# Altium PCB Terra.PcbDoc (part 6 of 7) (continued)
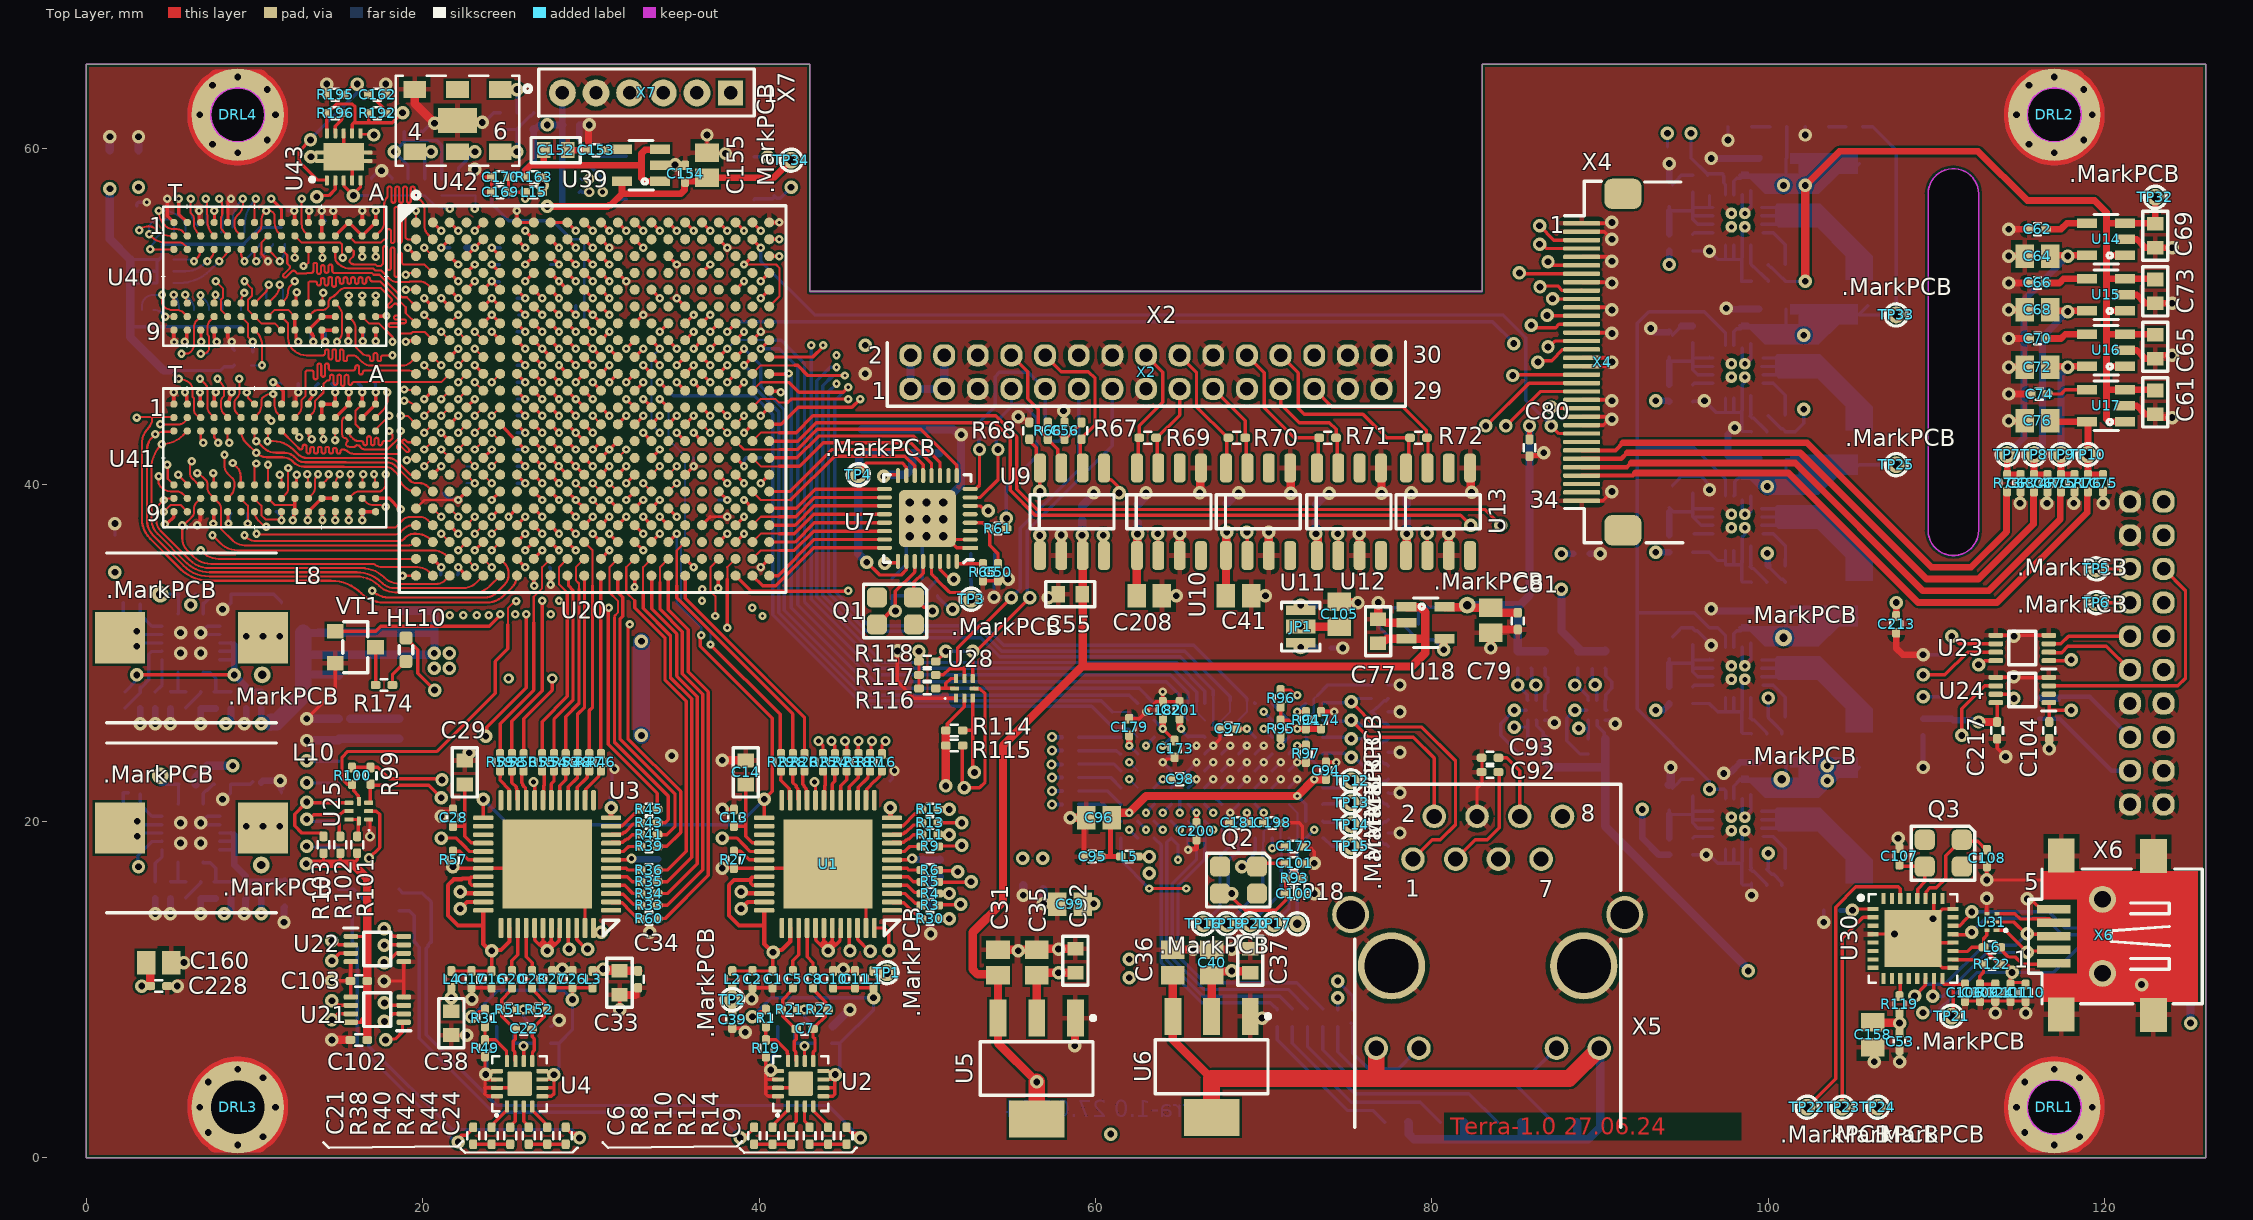
[diagram p0: Top Layer view]
## Nets (pads, with @x,y where several pads share a name; then routed paths per layer and width w, separated by ;. In a path a pad name is that pad's centre, name@x,y a point inside that pad or via, vN(x,y) a via of type N, cw(c..) or ccw(c..) an arc to the next point about the centre after c; other vN are vias at no path point) (continued)
  Bottom Layer w0.4: R147.1@94.1,28 C137.1@94.1,29.4
NetC139_1: C139.1 U36.9 | length 1.2
  Bottom Layer w0.2: C139.1@95.5,28 95.589,28.089 U36.9@96.7,28.089
NetC142_1: C142.1 C143.1 R151.1 R152.2 U37.10 U37.11 U37.12 | length 9.1
  Bottom Layer w0.2: C142.1@94.1,56.55 94.1,56.3 95.5,56.3 ; C143.1@95.5,57.4 95.5,56.5 ; R152.2@96.5,57.2 96.5,56.539 U37.12@96.55,56.489 ; U37.10@96.7,55.489 95.811,55.489 95.5,55.8 95.5,55.989 ; U37.11@96.7,55.989 95.5,55.989 ; U37.12@96.7,56.489 U37.12@96.55,56.489 ; 95.5,55.989 95.5,56.3 ; 95.5,56.3 95.5,56.5 ; 95.5,56.5 95.511,56.489 U37.12@96.55,56.489
  Bottom Layer w0.4: R151.1@94.1,54.9 C142.1@94.1,56.3
NetC144_1: C144.1 U37.9 | length 1.2
  Bottom Layer w0.2: C144.1@95.5,54.9 95.589,54.989 U37.9@96.7,54.989
NetC147_1: C147.1 C148.1 R158.1 U38.10 U38.11 U38.12 | length 8.5
  Bottom Layer w0.2: C147.1@94.1,47.6 94.1,47.35 95.5,47.35 ; C148.1@95.5,48.45 95.5,47.55 ; U38.12@96.5,47.589 U38.12@96.55,47.539 ; U38.10@96.7,46.539 95.811,46.539 95.5,46.85 95.5,47.039 ; U38.11@96.7,47.039 95.5,47.039 ; U38.12@96.7,47.539 U38.12@96.55,47.539 ; 95.5,47.039 95.5,47.35 ; 95.5,47.35 95.5,47.55 ; 95.5,47.55 95.511,47.539 U38.12@96.55,47.539
  Bottom Layer w0.4: R158.1@94.1,45.95 C147.1@94.1,47.35
NetC149_1: C149.1 U38.9 | length 1.2
  Bottom Layer w0.2: C149.1@95.5,45.95 95.589,46.039 U38.9@96.7,46.039
NetC152_1: C152.1 R163.1 U39.1 U39.3 | length 12.2
  Top Layer w0.4: R163.1@26.1,58.3 26.1,58.7 26.4,59 27.2,59 ; C152.1@27.189,59.9 27.2,59.889 27.2,59 ; U39.1@34.111,58.047 34.109,58.049 33.185,58.049 33,58.234 33,59 ; U39.3@34.111,59.952 34.076,59.918 33.218,59.918 33,59.7 33,59 ; 27.2,59 33,59
NetC153_1: C153.1 U39.4 | length 1.1
  Top Layer w0.2: C153.1@30.8,60 30.824,59.976 31.823,59.976 U39.4@31.847,59.952
NetC156_1: C156.1 U42.5 | length 3.1
  Top Layer w0.2: U42.5@22.065,59.825 22.09,59.8 v2(23.1,59.8)
  Bottom Layer w0.2: C156.1@22.125,58.2 22.125,58.825 v2(23.1,59.8) v2@23.125,59.825
NetC157_1: C157.1 U42.4 | length 2.7
  Top Layer w0.2: U42.4@19.55,59.8 v2(20.495,59.8)
  Bottom Layer w0.2: C157.1@20.125,58.2 20.125,59.425 20.495,59.795 v2(20.495,59.8)
NetC162_1: C162.1 R192.2 R195.2 U43.1 | length 11.7
  Top Layer w0.2: v2(13.326,60.503) 12.65,59.827 12.65,59.21 13.735,58.125 U43.1@14.3,58.125 ; R195.2@15.3,63.225 15.361,63.225 15.961,63.825 v2(16.1,63.825) 16.139,63.825 16.739,63.225 16.85,63.225 17.622,62.453 17.622,62.263 17.761,62.125 R192.2@17.8,62.125
  Bottom Layer w0.2: v2@13.325,60.55 16.1,63.325 v2(16.1,63.825) ; v2(13.326,60.503) v2@13.326,60.549
NetC168_2: C168.2 L14.2 R189.2 U42.6 | length 4.8
  Top Layer w0.2: U42.6@24.605,59.825 24.63,59.8 v2(25.6,59.8)
  Bottom Layer w0.2: C168.2@24.625,61.125 R189.2@25.625,61.125 ; v2(25.6,59.8) 25.625,59.825 R189.2@25.625,61.125 ; L14.2@26.6,62.125 26.6,62.086 26.462,61.947 26.397,61.947 25.625,61.175 R189.2@25.625,61.125
NetHL1_2: HL1.2 R79.2 | length 16.9
  Bottom Layer w0.2: R79.2@73.5,7.8 73.5,6.421 75.621,4.3 85,4.3 HL1.2@87.2,2.1
NetHL2_2: HL2.2 R82.2 | length 11.7
  Bottom Layer w0.2: R82.2@71.7,7.8 71.7,6.807 75.207,3.3 79.3,3.3 HL2.2@80.5,2.1
NetHL3_2: HL3.2 R83.2 | length 9.2
  Bottom Layer w0.2: R83.2@70.8,7.8 70.8,7 75,2.8 76.5,2.8 HL3.2@77.2,2.1
NetHL4_2: HL4.2 R84.2 | length 14.4
  Bottom Layer w0.2: R84.2@72.6,7.8 72.6,6.614 75.414,3.8 82.2,3.8 HL4.2@83.9,2.1
NetHL5_2: HL5.2 R120.2 | length 1
  Bottom Layer w0.2: R120.2@123.191,12.509 HL5.2@124.191,12.509
NetHL6_2: HL6.2 R121.2 | length 0.9
  Bottom Layer w0.2: R121.2@123.291,15.209 HL6.2@124.191,15.209
NetHL7_2: HL7.2 R123.1 | length 1
  Bottom Layer w0.2: R123.1@123.191,9.609 HL7.2@124.191,9.609
NetHL8_1: HL8.1 R154.1 | length 1.1
  Bottom Layer w0.2: HL8.1@99,61.3 R154.1@100.1,61.3
NetHL9_1: HL9.1 R160.1 | length 1
  Bottom Layer w0.2: HL9.1@103.6,61.3 R160.1@104.6,61.3
NetHL10_2: HL10.2 R174.2 | length 1.7
  Top Layer w0.2: R174.2@18.2,28.1 18.2,28.7 HL10.2@19,29.5
NetHL11_2: HL11.2 R202.2 | length 1.5
  Bottom Layer w0.2: R202.2@24.1,58.2 24.1,58.139 25.1,57.139 HL11.2@25.1,57.1
NetL6_2: L6.2 X6.1 | length 3.7
  Top Layer w0.2: L6.2@113.691,12.509 114.271,11.929 114.671,11.929 115.111,11.489 116.896,11.489 X6.1@116.966,11.559
NetL7_2: L7.2 U32.1 U32.2 U32.3 | length 10.8
  Bottom Layer w0.2: U32.3@99.6,37.589 103.711,37.589 ; U32.2@99.6,38.089 103.211,38.089 ; U32.1@99.6,38.589 102.711,38.589
NetL9_2: L9.2 U34.1 U34.2 U34.3 | length 12.2
  Bottom Layer w0.2: U34.3@99.6,19.589 103.711,19.589 103.211,20.089 ; U34.2@99.6,20.089 U34.2@99.7,20.089 103.211,20.089 ; U34.1@99.6,20.589 102.711,20.589 103.211,20.089
NetL11_2: L11.2 U36.1 U36.2 U36.3 | length 12.2
  Bottom Layer w0.2: U36.3@99.6,28.589 U36.3@99.7,28.589 103.711,28.589 103.211,29.089 ; U36.2@99.6,29.089 U36.2@99.7,29.089 103.211,29.089 ; U36.1@99.6,29.589 102.711,29.589 103.211,29.089
NetL12_2: L12.2 U37.1 U37.2 U37.3 | length 12.2
  Bottom Layer w0.2: U37.3@99.6,55.489 U37.3@99.7,55.489 103.711,55.489 103.211,55.989 ; U37.2@99.6,55.989 U37.2@99.7,55.989 103.211,55.989 ; U37.1@99.6,56.489 U37.1@99.7,56.489 102.711,56.489 103.211,55.989
NetL13_2: L13.2 U38.1 U38.2 U38.3 | length 12
  Bottom Layer w0.2: U38.2@99.6,47.039 103.211,47.039 ; U38.3@99.7,46.539 103.711,46.539 103.211,47.039 ; U38.1@99.7,47.539 102.711,47.539 103.211,47.039
NetR1_2: R1.2 R19.1 U2.12 | length 3
  Top Layer w0.2: R1.2@40.4,7.8 R19.1@40.4,7 41,7 41.68,6.32 41.68,6.208 41.696,6.191 41.696,5.767 U2.12@41.719,5.744
NetR3_1: R3.1 U1.3 | length 2
  Top Layer w0.2: U1.3@47.9,15.7 48.7,15.7 49.272,15.128 49.522,15.128 R3.1@49.65,15
NetR4_1: R4.1 U1.4 | length 2
  Top Layer w0.2: U1.4@47.9,16.2 48.8,16.2 49.233,15.767 49.583,15.767 R4.1@49.65,15.7
NetR5_1: R5.1 U1.5 | length 1.9
  Top Layer w0.2: U1.5@47.9,16.7 48.866,16.7 49.166,16.4 R5.1@49.65,16.4
NetR6_1: R6.1 U1.6 | length 1.8
  Top Layer w0.2: U1.6@47.9,17.2 48.803,17.2 48.903,17.1 R6.1@49.65,17.1
NetR8_2: R8.2 U2.1 | length 1.6
  Top Layer w0.2: R8.2@40.8,1.8 40.928,1.928 40.928,2.049 41.7,2.821 U2.1@41.7,3.05
NetR9_1: R9.1 U1.8 | length 1.7
  Top Layer w0.2: U1.8@47.9,18.2 48.623,18.2 48.883,18.46 48.915,18.46 48.955,18.5 R9.1@49.425,18.5 ; R9.1@49.589,18.5 R9.1@49.65,18.5
NetR10_2: R10.2 U2.2 | length 1.4
  Top Layer w0.2: R10.2@41.9,1.8 41.9,1.861 42.2,2.161 U2.2@42.2,3.05
NetR11_1: R11.1 U1.9 | length 2
  Top Layer w0.2: U1.9@47.9,18.7 47.94,18.74 48.597,18.74 48.717,18.86 48.749,18.86 48.829,18.94 48.895,18.94 49.155,19.2 R11.1@49.65,19.2
NetR12_2: R12.2 U2.3 | length 1.4
  Top Layer w0.2: U2.3@42.7,3.05 42.7,2.161 43,1.861 R12.2@43,1.8
NetR13_1: R13.1 U1.10 | length 2
  Top Layer w0.2: U1.10@47.9,19.2 47.94,19.24 48.532,19.24 48.552,19.26 48.583,19.26 48.663,19.34 48.729,19.34 49.161,19.772 49.522,19.772 R13.1@49.65,19.9
NetR14_2: R14.2 U2.4 | length 1.6
  Top Layer w0.2: U2.4@43.2,3.05 43.2,2.821 43.972,2.049 43.972,1.928 R14.2@44.1,1.8
NetR15_1: R15.1 U1.11 | length 2.2
  Top Layer w0.2: U1.11@47.9,19.7 47.94,19.74 48.563,19.74 49.263,20.44 49.329,20.44 49.589,20.7 R15.1@49.65,20.7
NetR16_1: R16.1 U1.14 | length 2.1
  Top Layer w0.2: U1.14@46.35,21.25 46.39,21.29 46.39,21.913 46.885,22.408 46.892,22.408 47.172,22.688 47.172,22.872 R16.1@47.3,23
NetR17_1: R17.1 U1.15 | length 2.1
  Top Layer w0.2: U1.15@45.85,21.25 45.89,21.29 45.89,22.019 46.472,22.601 46.472,22.872 R17.1@46.6,23
NetR18_1: R18.1 U1.16 | length 1.9
  Top Layer w0.2: U1.16@45.35,21.25 45.35,22.044 45.9,22.594 R18.1@45.9,22.939
NetR23_1: R23.1 U1.17 | length 1.9
  Top Layer w0.2: U1.17@44.85,21.25 44.85,22.11 45.2,22.46 R23.1@45.2,23 R23.1@45.225,22.975
NetR24_1: R24.1 U1.18 | length 1.8
  Top Layer w0.2: U1.18@44.35,21.25 44.35,22.216 44.5,22.366 R24.1@44.5,23
NetR25_1: R25.1 U1.19 | length 1.8
  Top Layer w0.2: R25.1@43.8,23 43.92,22.88 43.92,22.143 43.89,22.113 43.89,21.29 U1.19@43.85,21.25
NetR26_1: R26.1 U1.21 | length 1.9
  Top Layer w0.2: R26.1@42.7,23 42.59,22.89 42.59,22.276 42.6,22.266 42.6,22.189 42.69,22.099 42.69,22.037 42.81,21.917 42.81,21.29 U1.21@42.85,21.25
NetR27_1: R27.1 U1.30 | length 2
  Top Layer w0.2: R27.1@38.5,18.3 38.592,18.208 38.892,18.208 39.4,17.7 U1.30@40.3,17.7
NetR28_1: R28.1 U1.22 | length 1.9
  Top Layer w0.2: R28.1@42,23 42,22.3 42.2,22.1 42.2,22.023 42.29,21.933 42.29,21.31 U1.22@42.35,21.25
NetR29_1: R29.1 U1.23 | length 2
  Top Layer w0.2: R29.1@41.3,23 41.3,22.6 41.294,22.594 41.294,22.429 41.8,21.923 41.8,21.3 U1.23@41.85,21.25
NetR30_1: R30.1 U1.2 | length 2.2
  Top Layer w0.2: U1.2@47.9,15.2 47.94,15.16 48.606,15.16 49.306,14.46 49.34,14.46 49.6,14.2 R30.1@49.65,14.2
NetR31_2: R31.2 R49.1 U4.12 | length 2.9
  Top Layer w0.2: R31.2@23.7,7.8 R49.1@23.7,7 24.3,7 24.98,6.32 24.98,5.762 U4.12@25,5.742
NetR33_1: R33.1 U3.3 | length 2
  Top Layer w0.2: U3.3@31.2,15.7 31.24,15.66 31.929,15.66 32.527,15.061 32.889,15.061 R33.1@32.95,15
NetR34_1: R34.1 U3.4 | length 2
  Top Layer w0.2: U3.4@31.2,16.2 32,16.2 32.5,15.7 R34.1@32.95,15.7
NetR35_1: R35.1 U3.5 | length 1.9
  Top Layer w0.2: U3.5@31.2,16.7 32.166,16.7 32.466,16.4 R35.1@32.95,16.4
NetR36_1: R36.1 U3.6 | length 1.8
  Top Layer w0.2: U3.6@31.2,17.2 32.103,17.2 32.203,17.1 R36.1@32.95,17.1
NetR38_2: R38.2 U4.1 | length 1.6
  Top Layer w0.2: R38.2@24.1,1.8 24.228,1.928 24.228,2.049 25,2.821 U4.1@25,3.05
NetR39_1: R39.1 U3.8 | length 1.8
  Top Layer w0.2: U3.8@31.2,18.2 31.923,18.2 32.183,18.46 32.215,18.46 32.255,18.5 R39.1@32.783,18.5 ; R39.1@32.889,18.5 R39.1@32.95,18.5
NetR40_2: R40.2 U4.2 | length 1.4
  Top Layer w0.2: R40.2@25.2,1.8 25.2,1.861 25.5,2.161 U4.2@25.5,3.05
NetR41_1: R41.1 U3.9 | length 2
  Top Layer w0.2: U3.9@31.2,18.7 31.24,18.74 31.897,18.74 32.017,18.86 32.049,18.86 32.129,18.94 32.195,18.94 32.455,19.2 R41.1@32.95,19.2
NetR42_2: R42.2 U4.3 | length 1.4
  Top Layer w0.2: U4.3@26,3.05 26,2.161 26.3,1.861 R42.2@26.3,1.8
NetR43_1: R43.1 U3.10 | length 2
  Top Layer w0.2: U3.10@31.2,19.2 31.24,19.24 31.832,19.24 31.852,19.26 31.883,19.26 31.963,19.34 32.029,19.34 32.527,19.839 32.889,19.839 R43.1@32.95,19.9
NetR44_2: R44.2 U4.4 | length 1.6
  Top Layer w0.2: U4.4@26.5,3.05 26.5,2.821 27.272,2.049 27.272,1.928 R44.2@27.4,1.8
NetR45_1: R45.1 U3.11 | length 2.2
  Top Layer w0.2: U3.11@31.2,19.7 31.24,19.74 31.863,19.74 32.563,20.44 32.629,20.44 32.889,20.7 R45.1@32.95,20.7
NetR46_1: R46.1 U3.14 | length 2.1
  Top Layer w0.2: U3.14@29.65,21.25 29.69,21.29 29.69,21.913 30.185,22.408 30.192,22.408 30.472,22.688 30.472,22.872 R46.1@30.6,23
NetR47_1: R47.1 U3.15 | length 2.1
  Top Layer w0.2: U3.15@29.15,21.25 29.19,21.29 29.19,22.019 29.772,22.601 29.772,22.872 R47.1@29.9,23
NetR48_1: R48.1 U3.16 | length 1.9
  Top Layer w0.2: U3.16@28.65,21.25 28.65,22.044 29.2,22.594 R48.1@29.2,22.939
NetR53_1: R53.1 U3.17 | length 1.9
  Top Layer w0.2: U3.17@28.15,21.25 28.15,22.11 28.5,22.46 R53.1@28.5,23 R53.1@28.525,22.975
NetR54_1: R54.1 U3.18 | length 1.8
  Top Layer w0.2: U3.18@27.65,21.25 27.65,22.216 27.8,22.366 R54.1@27.8,23
NetR55_1: R55.1 U3.19 | length 1.8
  Top Layer w0.2: R55.1@27.1,23 27.22,22.88 27.22,22.143 27.19,22.113 27.19,21.29 U3.19@27.15,21.25
NetR56_1: R56.1 U3.21 | length 1.9
  Top Layer w0.2: R56.1@26,23 25.89,22.89 25.89,22.276 25.951,22.214 25.951,22.138 25.99,22.099 25.99,22.089 26.11,21.969 26.11,21.29 U3.21@26.15,21.25
NetR57_1: R57.1 U3.30 | length 2
  Top Layer w0.2: R57.1@21.8,18.3 21.892,18.208 22.192,18.208 22.7,17.7 U3.30@23.6,17.7
NetR58_1: R58.1 U3.22 | length 1.9
  Top Layer w0.2: R58.1@25.3,23 25.3,22.3 25.551,22.049 25.551,21.972 25.59,21.933 25.59,21.31 U3.22@25.65,21.25
NetR59_1: R59.1 U3.23 | length 2
  Top Layer w0.2: R59.1@24.6,23 24.6,22.6 24.594,22.594 24.594,22.429 25.15,21.873 U3.23@25.15,21.25
NetR60_1: R60.1 U3.2 | length 2.2
  Top Layer w0.2: U3.2@31.2,15.2 31.24,15.16 31.863,15.16 32.1,14.923 32.1,14.9 32.672,14.328 32.822,14.328 R60.1@32.95,14.2
NetR61_2: R61.2 U8.6 | length 6
  Top Layer w0.2: R61.2@54.7,37.4 54.6,37.5 54.7,37.6 v2(54.7,38)
  Bottom Layer w0.2: v2(54.7,38) 54.7,39.9 56.5,41.7 U8.6@56.5,42.6
NetR62_1: R62.1 U8.2 X2.9 | length 9
  Bottom Layer w0.2: R62.1@53.2,43.8 53.2,43.85 54.03,44.68 54.03,46.43 54.283,46.683 54.483,46.683 54.5,46.7 56,46.7 X2.9@57,45.7 U8.2@57,43.2
NetR62_2: R62.2 U7.8 | length 3.6
  Top Layer w0.2: U7.8@52.548,39.748 52.859,39.748 53.1,39.989 v2(53.1,42.1)
  Bottom Layer w0.2: v2(53.1,42.1) 53.051,42.1 53.05,42.65 R62.2@53.2,42.8
NetR63_1: R63.1 U8.1 X2.7 | length 4.9
  Bottom Layer w0.2: R63.1@54.2,43.8 54.2,43.85 54.667,44.317 54.667,44.325 55,44.658 ; X2.7@55,45.7 55,44.658 ; U8.1@56.5,43.175 56.5,43.5 56.5,43.958 55.698,44.76 55.102,44.76 55,44.658
NetR63_2: R63.2 U7.7 | length 4.7
  Top Layer w0.2: U7.7@52.548,39.249 53.148,39.249 54.2,40.3 v2(54.2,42.1)
  Bottom Layer w0.2: v2@54.1,42.1 54.1,42.7 R63.2@54.2,42.8 ; v2@54.2,42 v2(54.2,42.1)
NetR65_1: R65.1 U7.32 | length 1.7
  Top Layer w0.2: U7.32@51.748,35.452 51.748,35.323 51.771,35.3 R65.1@53.3,35.3
NetR66_2: R66.2 U9.7 X2.8 | length 7.9
  Top Layer w0.2: X2.8@55,47.7 55.97,46.73 55.97,45.13 56.6,44.5 56.6,43.321 57.16,42.761 57.16,42.672 57.298,42.533 57.338,42.533 57.76,42.111 U9.7@57.76,41
NetR67_1: R67.1 U9.6 X2.10 | length 9.3
  Top Layer w0.2: X2.10@57,47.7 57.97,46.73 59.57,46.73 59.97,46.33 59.97,43.571 59.16,42.761 R67.1@59.16,42.711 59.095,42.646 59.095,41.065 U9.6@59.03,41
NetR77_2: R77.2 R78.1 U18.4 | length 3.8
  Top Layer w0.5: v2(80.7,30.2) 80.7,30.847 U18.4@80.753,30.847
  Bottom Layer w0.2: R77.2@78.2,31.7 78.25,31.7 R78.1@79.15,30.8 ; R78.1@79.2,30.8 80.1,30.8 v2(80.7,30.2)
NetR80_2: R80.2 X5.11 | length 15.8
  Bottom Layer w0.2: R80.2@74.4,7.8 74.4,6.3 75.9,4.8 85.705,4.8 X5.11@87.405,6.5
NetR81_2: R81.2 X5.10 | length 6.3
  Bottom Layer w0.2: R81.2@75.3,7.8 75.3,6.2 76.2,5.3 78.025,5.3 78.925,6.2 X5.10@79.225,6.2
NetR101_1: R101.1 U25.7 U25.8 | length 1.5
  Top Layer w0.2: U25.7@15.715,20.1 16.175,20.1 16.2,20.075 U25.8@16.2,20.015 16.175,19.99 16.175,19.175 R101.1@16.1,19.1
NetR102_1: R102.1 U25.6 X1.9 | length 5.7
  Top Layer w0.2: v2(13.1,20.12) 13.262,20.12 13.517,20.375 15.025,20.375 ; R102.1@15.1,19.1 15.025,19.175 15.025,20.375 ; U25.6@15.615,20.6 15.3,20.6 15.075,20.375 15.025,20.375
  Bottom Layer w0.2: v2(13.1,20.12) 13.262,20.12 13.4,19.982 X1.9@14.688,19.982
NetR103_1: R103.1 U25.5 X1.11 | length 8.2
  Top Layer w0.2: v2@13,21.1 13,21.04 12.38,20.42 12.38,19.72 12.8,19.3 13.843,19.3 13.865,19.278 13.962,19.278 14.1,19.139 R103.1@14.1,19.1 ; v2(13.1,21.14) 13.14,21.1 14.105,21.1 U25.5@15.715,21.1
  Bottom Layer w0.2: v2(13.1,21.14) 13.155,21.085 X1.11@14.885,21.085 ; X1.11@14.885,21.185 X1.11@15,21.07
NetR106_1: R106.1 U26.7 U26.8 | length 3.4
  Bottom Layer w0.2: R106.1@86.7,29.1 86.742,29.058 86.742,28.658 86.9,28.5 86.9,27.7 86.725,27.525 86.725,27.21 U26.7@86.7,27.185 ; U26.8@86.7,26.625 U26.7@86.7,27.185 ; U26.8@86.7,26.625 U26.8@86.725,26.6 ; U26.8@86.7,26.625 U26.8@86.725,26.6 ; U26.8@86.7,26.625 U26.7@86.7,27.185 ; U26.8@86.725,26.6 U26.8@86.785,26.6 U26.8@86.725,26.6
NetR111_1: R111.1 U27.7 U27.8 | length 2.9
  Bottom Layer w0.2: R111.1@90.3,29.1 90.342,29.058 90.342,28.658 90.7,28.3 90.7,27.9 90.325,27.525 90.325,27.21 U27.7@90.3,27.185 90.3,26.625 90.325,26.6 U27.8@90.385,26.6
NetR112_1: R112.1 U27.6 X3.7 | length 41.5
  Int1 (Sign) w0.2: v2(89.7,28.12) 94.346,28.12 98.066,24.4 112.7,24.4 117.2,28.9 118.434,28.9 119.9,30.366 119.9,31.4 120.53,32.03 122.53,32.03 X3.7@123.5,33
  Bottom Layer w0.2: R112.1@89.532,29.068 89.532,28.51 89.728,28.314 89.7,28.286 v2(89.7,28.12) ; v2@89.766,28.114 89.79,28.09 89.79,27.195 U27.6@89.8,27.185
NetR113_1: R113.1 U27.5 X3.9 | length 42
  Int1 (Sign) w0.2: v2(88.5,28.1) 89.2,27.4 94.5,27.4 97.9,24 112.866,24 117.366,28.5 118.6,28.5 120.1,30 122.5,30 X3.9@123.5,31
  Bottom Layer w0.2: v2(88.5,28.1) 88.523,28.123 v2@88.677,28.123 ; R113.1@88.677,29.095 v2@88.677,28.123 ; U27.5@89.3,27.185 89.275,27.21 89.275,27.425 88.677,28.023 v2@88.677,28.123
NetR116_1: R116.1 U28.7 U28.8 | length 2.1
  Top Layer w0.2: R116.1@50.5,27.9 51.1,27.9 ; U28.8@51.615,27.9 51.1,27.9 ; U28.7@51.7,28.485 51.385,28.485 51.1,28.2 51.1,27.9
NetR117_1: R117.1 U28.6 X2.11 | length 22.2
  Top Layer w0.2: R117.1@50.5,28.7 50.958,28.7 51.333,29.075 51.8,29.075 ; U28.6@52.2,28.485 52.2,29.118 52.175,29.093 52.175,29.075 51.8,29.075 ; v2(55,33.3) 53.424,31.724 53.214,31.724 51.8,30.31 51.8,29.075
  Bottom Layer w0.2: v2(55,33.3) 55.52,33.82 55.52,37.42 59,40.9 X2.11@59,45.7
NetR118_1: R118.1 U28.5 X2.13 | length 23.4
  Top Layer w0.2: R118.1@50.5,29.5 50.539,29.5 51.1,30.061 v2(51.1,30.1) ; U28.5@52.7,28.485 52.7,29.92 v2@52.78,30 ; v2(52.7,30.1) v2@52.9,30.1 ; v2@52.78,30.04 v2@52.78,30.08 ; v2@52.82,30.08 52.88,30.08 v2@52.9,30.1 ; v2(56.1,33.3) v2@52.9,30.1
  Bottom Layer w0.2: v2(51.1,30.1) v2(52.7,30.1) ; v2(56.1,33.3) 55.945,33.455 55.945,37.279 61,42.334 X2.13@61,45.7
NetR119_1: R119.1 U30.11 | length 1.1
  Top Layer w0.2: R119.1@107.816,9.634 R119.1@107.791,9.609 107.841,9.659 107.841,10.652 U30.11@107.848,10.659
NetR120_1: R120.1 U30.21 | length 12.3
  Top Layer w0.2: U30.21@110.966,13.259 111.959,13.259 v2(112.1,13.4)
  Bottom Layer w0.2: v2(112.1,13.4) 112.925,14.225 116.5,14.225 117.475,13.25 121.25,13.25 121.901,12.599 122.101,12.599 R120.1@122.191,12.509
NetR121_1: R121.1 U30.22 | length 12.7
  Top Layer w0.2: U30.22@110.966,13.759 110.993,13.786 111.374,13.786 111.596,14.008 111.596,14.014 112.091,14.509 v2(112.091,14.609)
  Bottom Layer w0.2: v2(112.091,14.609) 112.107,14.625 116.666,14.625 117.641,13.65 120.55,13.65 122.01,15.11 122.11,15.11 R121.1@122.2,15.2
NetR126_2: R126.2 R129.2 U32.5 | length 2.5
  Bottom Layer w0.2: R129.2@98.93,35.13 99.038,35.022 99.128,35.022 99.9,34.25 R126.2@99.9,34.2 ; U32.5@98.95,36.339 98.95,35.838 98.95,35.25 R129.2@99,35.2
NetR127_2: R127.2 U32.4 | length 2.8
  Bottom Layer w0.2: U32.4@99.7,37.089 100.287,37.089 100.8,36.576 101.02,36.356 101.02,35.602 101,35.582 R127.2@101,35.2
NetR130_2: R130.2 R134.1 U33.10 | length 4.7
  Bottom Layer w0.2: R130.2@2.3,26.7 2.3,26.75 3.2,27.65 R134.1@3.2,27.7 3.2,27.98 3.298,27.98 3.72,28.402 3.72,29.92 3.893,30.093 4.468,30.093 U33.10@4.475,30.1
NetR132_1: R132.1 R136.2 U33.7 | length 2.7
  Bottom Layer w0.2: U33.7@6.95,28.875 6.95,28.836 6.96,28.826 7.374,28.826 7.7,28.5 R136.2@7.7,27.7 ; R136.2@7.6,27.7 R132.1@8.6,27.7
NetR135_2: R135.2 U33.1 | length 1.5
  Bottom Layer w0.2: U33.1@6.95,32.325 6.95,32.95 7,32.95 7.55,33.5 R135.2@7.6,33.5
NetR138_2: R138.2 R141.2 U34.5 | length 2.5
  Bottom Layer w0.2: R141.2@98.93,17.13 99.038,17.022 99.128,17.022 99.9,16.25 R138.2@99.9,16.2 ; U34.5@98.95,18.339 98.95,17.838 98.95,17.25 R141.2@99,17.2
NetR139_2: R139.2 U34.4 | length 2.8
  Bottom Layer w0.2: U34.4@99.7,19.089 100.287,19.089 100.8,18.576 101,18.376 R139.2@101,17.2
NetR143_1: R143.1 R146.2 U35.7 | length 2.7
  Bottom Layer w0.2: U35.7@6.95,17.575 6.95,17.536 6.96,17.526 7.374,17.526 7.7,17.2 R146.2@7.7,16.4 ; R146.2@7.6,16.4 R143.1@8.6,16.4
NetR145_2: R145.2 U35.1 | length 1.5
  Bottom Layer w0.2: U35.1@6.95,21.025 6.95,21.65 7.141,21.841 7.181,21.841 7.539,22.2 R145.2@7.6,22.2
NetR148_2: R148.2 R150.2 U36.5 | length 2.5
  Bottom Layer w0.2: R150.2@98.93,26.13 99.038,26.022 99.128,26.022 99.9,25.25 R148.2@99.9,25.2 ; U36.5@98.95,27.339 98.95,26.838 98.95,26.25 R150.2@99,26.2
NetR149_2: R149.2 U36.4 | length 2.8
  Bottom Layer w0.2: U36.4@99.7,28.089 100.287,28.089 100.8,27.576 101,27.376 R149.2@101,26.2
NetR152_1: R152.1 R156.2 U37.13 VD1.1 | length 5
  Bottom Layer w0.2: v2(95.4,60.9) VD1.1@95.4,60.1 95.4,59.45 96.4,58.45 R152.1@96.4,58.4 ; R152.1@96.4,58.5 R156.2@97.3,58.5 ; R156.2@97.3,58.4 97.342,58.358 97.342,57.958 97.45,57.85 U37.13@97.45,57.239
NetR153_2: R153.2 R157.2 U37.5 | length 2.6
  Bottom Layer w0.2: U37.5@98.95,54.239 98.95,53.738 98.95,53.15 R157.2@99,53.1 99,53.05 99.09,52.96 99.14,52.96 99.86,52.24 99.91,52.24 100,52.15 R153.2@100,52.1
NetR155_2: R155.2 U37.4 | length 2.8
  Bottom Layer w0.2: U37.4@99.7,54.989 100.287,54.989 100.8,54.476 101,54.276 R155.2@101,53.1
NetR159_2: R159.2 R162.2 U38.5 | length 2.5
  Bottom Layer w0.2: R162.2@98.93,44.08 99.038,43.972 99.128,43.972 99.9,43.2 R159.2@99.9,43.15 ; U38.5@98.95,45.289 98.95,44.788 98.95,44.2 R162.2@99,44.15
NetR161_2: R161.2 U38.4 | length 2.8
  Bottom Layer w0.2: U38.4@99.7,46.039 100.287,46.039 100.8,45.526 101,45.326 R161.2@101,44.15
NetR174_1: R174.1 VT1.3 | length 2.3
  Top Layer w0.2: R174.1@17.2,28.1 VT1.3@17.2,30.35
NetR189_1: R189.1 U42.1 | length 2.4
  Top Layer w0.2: U42.1@24.605,63.533 25.567,63.533 v2(25.6,63.5)
  Bottom Layer w0.2: v2(25.6,63.5) 25.625,63.475 R189.1@25.625,62.125
NetR196_2: R196.2 U43.9 | length 1.4
  Top Layer w0.2: U43.9@14.8,60.925 14.8,61.325 15.196,61.721 15.196,61.996 R196.2@15.3,62.1
NetTP5_1: TP5.1 X3.6 | length 2
  Top Layer w0.2: TP5.1@119.5,35 X3.6@121.5,35
NetTP6_1: TP6.1 X3.8 | length 2
  Top Layer w0.2: TP6.1@119.5,33 X3.8@121.5,33
NetU31_3: U31.3 X6.4 | length 3.6
  Top Layer w0.2: U31.3@113.591,14.509 114.656,14.509 114.976,14.189 115.689,14.189 115.71,14.21 116.715,14.21 X6.4@116.966,13.959
PHY_125MHZ: U19.K2 U20.G18 | length 52.3
  Top Layer w0.2: U20.G18@36.6,49.6 v3(37.1,50.1)
  Int4(Sign) w0.2: v3(37.1,50.1) 40.456,50.1 43.3,47.256 43.3,33.89 46.19,31 58.725,31 66.169,31 70,27.169 v1(70,26.5)
  Bottom Layer w0.2: v1(70,26.5) U19.K2@70.5,26
PHY_COL: U19.B6 U20.K19 | length 43.9
  Top Layer w0.2: U20.K19@37.6,46.6 v1(38.1,47.1)
  Int1 (Sign) w0.2: v1(38.1,47.1) v1@38.118,47.1
  Int4(Sign) w0.125: v1(38.1,47.1) 38.6,46.6 38.987,46.6 cw(c39.1,46.1) 39.213,46.6 39.5,46.6
  Int4(Sign) w0.2: 39.5,46.6 40.978,46.6 41.91,45.668 41.91,33.314 46.924,28.3 57.984,28.3 60.6,25.684 60.6,23.9 v1(62,22.5)
  Bottom Layer w0.125: v1(38.1,47.1) v1@38.161,47.1 ; v1(62,22.5) U19.B6@62.5,22
PHY_CRS: U19.B5 U20.H19 | length 45.1
  Top Layer w0.2: v1(37.1,48.1) U20.H19@37.6,48.6
  Int4(Sign) w0.125: v1(37.1,48.1) 37.563,47.637 37.6,47.6 37.987,47.6 cw(c38.1,47.1) 38.213,47.6 40.5,47.6
  Int4(Sign) w0.2: 40.5,47.6 41.556,47.6 42.31,46.846 42.31,33.48 47.09,28.7 58.15,28.7 61,25.85 61,24.5 v1(62,23.5)
  Bottom Layer w0.125: v1(62,23.5) U19.B5@62.5,23
PHY_MDIP0n: R86.1 U19.N2 X5.2 | length 12.4
  Top Layer w0.2: v2(75.2,26) 76.2,25 78.9,25 80.14,23.76 80.14,20.31 80.13,20.3 X5.2@80.14,20.29
  Bottom Layer w0.2: U19.N2@73.5,26 73.55,25.95 75.15,25.95 v2(75.2,26) 75.462,26 75.762,25.7 R86.1@76.4,25.7
PHY_MDIP0p: R85.1 U19.N1 X5.1 | length 18.1
  Top Layer w0.2: v2(75.2,27.1) 76.7,25.6 79.4,25.6 81.4,23.6 81.4,19.8 80.49,18.89 80.01,18.89 X5.1@78.87,17.75
  Bottom Layer w0.2: U19.N1@73.5,27 U19.N1@73.55,27.05 ; 73.736,27.054 73.554,27.054 U19.N1@73.55,27.05 ; v2@75.175,27.075 v2(75.2,27.1) ; R85.1@76.4,27.3 75.562,27.3 75.312,27.05 U19.N1@73.55,27.05
PHY_MDIP1n: R88.1 U19.N4 X5.8 | length 17.2
  Int1 (Sign) w0.2: v2(75.2,23.8) 76.6,22.4 85.65,22.4 X5.8@87.76,20.29
  Bottom Layer w0.2: U19.N4@73.5,24 73.55,24.05 74.788,24.05 74.988,23.85 75.35,23.85 75.9,23.3 R88.1@76.4,23.3
PHY_MDIP1p: R87.1 U19.N3 X5.7 | length 22.8
  Int1 (Sign) w0.2: v2(75.2,24.9) 77.1,23 86.7,23 88.76,20.94 88.76,19.46 88.1,18.8 87.54,18.8 X5.7@86.49,17.75
  Bottom Layer w0.2: U19.N3@73.5,25 75.1,25 v2(75.2,24.9) v2@75.2,24.79 ; v2@75.2,24.79 75.31,24.9 R87.1@76.4,24.9
PHY_MDIP2n: R90.1 TP13.1 U19.N7 | length 3
  Bottom Layer w0.2: U19.N7@73.5,21 73.55,21.05 75.15,21.05 TP13.1@75.2,21.1 75.3,21 76.3,21 R90.1@76.4,20.9
PHY_MDIP2p: R89.1 TP12.1 U19.N6 | length 3.1
  Bottom Layer w0.2: U19.N6@73.5,22 74.584,22 74.984,22.4 TP12.1@75.2,22.4 75.25,22.45 76.35,22.45 R89.1@76.4,22.5
PHY_MDIP3n: R92.1 TP15.1 U19.N9 | length 3.1
  Bottom Layer w0.2: U19.N9@73.5,19 73.57,19 74.07,18.5 TP15.1@75.2,18.5 R92.1@76.4,18.5
PHY_MDIP3p: R91.1 TP14.1 U19.N8 | length 3.1
  Bottom Layer w0.2: U19.N8@73.5,20 73.554,19.946 75.054,19.946 TP14.1@75.2,19.8 75.416,19.8 75.716,20.1 R91.1@76.4,20.1
PHY_RX_CLK: U19.D1
PHY_RX_DV: U19.B1 U20.J20 | length 40.6
  Top Layer w0.2: U20.J20@38.6,47.6 v1(39.1,48.1)
  Bottom Layer w0.2: v1(39.1,48.1) 40.1,47.1 40.1,45.867 41.5,44.467 41.5,32.533 46.533,27.5 62,27.5 U19.B1@62.5,27
PHY_RX_ERR: U19.F2 U20.G17 | length 51.1
  Top Layer w0.2: U20.G17@35.6,49.6 v3(36.1,50.1)
  Int1 (Sign) w0.2: v3(36.1,50.1) 36.65,50.65 39.206,50.65 40.206,49.65 40.85,49.65 42.2,48.3 v1(43.1,48.3)
  Bottom Layer w0.125: 66.025,27.144 66.025,26.475 U19.F2@66.5,26
  Bottom Layer w0.2: v1(43.1,48.3) 43.1,33.196 47.196,29.1 64.6,29.1 66.025,27.675 66.025,27.144
PHY_RXC: U19.C1 U20.K22 | length 39.1
  Top Layer w0.2: U20.K22@40.656,46.556 40.675,46.575 41.672,46.575 41.693,46.595 41.727,46.595 v1(41.75,46.618)
  Bottom Layer w0.2: v1(41.75,46.618) 41.76,46.608 41.76,46.537 41.9,46.397 41.9,32.699 46.699,27.9 62.6,27.9 U19.C1@63.5,27
PHY_RXD0: U19.B2 U20.J21 | length 40.2
  Top Layer w0.2: v1(39.1,47.1) U20.J21@39.6,47.6
  Bottom Layer w0.125: 61,26.5 62,26.5 U19.B2@62.5,26
  Bottom Layer w0.2: v1(39.1,47.1) 39.699,46.501 39.699,45.801 41.17,44.33 41.17,32.397 46.397,27.17 56.17,27.17 57.482,27.17 60.33,27.17 61,26.5
PHY_RXD1: U19.D3 U20.H20 | length 44.8
  Top Layer w0.2: U20.H20@38.6,48.6 v1(39.1,49.1)
  Int4(Sign) w0.2: v1(39.1,49.1) 39.7,49.7 40.389,49.7 42.97,47.119 42.97,33.753 47.363,29.36 59.14,29.36 v1(64,24.5)
  Bottom Layer w0.2: v1(64,24.5) U19.D3@64.5,25
PHY_RXD2: U19.C3 U20.H17 | length 46.3
  Top Layer w0.2: U20.H17@35.6,48.6 v3(36.1,49.1)
  Int4(Sign) w0.125: v3(36.1,49.1) 36.299,48.901 ccw(c37.025,49.626) 37.025,48.6 40.4,48.6
  Int4(Sign) w0.2: 40.4,48.6 41.022,48.6 42.64,46.982 42.64,33.616 47.226,29.03 58.47,29.03 61.33,26.17 v1(63,24.5)
  Bottom Layer w0.2: v1(63,24.5) U19.C3@63.5,25
PHY_RXD3: U19.B3 U20.L16 | length 44.8
  Top Layer w0.2: v1(34.1,46.1) U20.L16@34.6,45.6
  Bottom Layer w0.125: 61.1,25.5 62,25.5 U19.B3@62.5,25
  Bottom Layer w0.2: v1(34.1,46.1) 34.9,45.3 39.7,45.3 40.819,44.181 40.819,32.281 46.26,26.84 59.76,26.84 61.1,25.5
PHY_RXD4: U19.C4
PHY_RXD5: U19.A1
PHY_RXD6: U19.A2
PHY_RXD7: U19.C5
PHY_TRSTn: U19.M9 U20.L20 | length 54.1
  Top Layer w0.2: U20.L20@38.6,45.6 v1(39.1,46.1)
  Int4(Sign) w0.2: v1(39.1,46.1) 39.844,46.1 41.5,44.444 41.5,33.158 46.758,27.9 57.819,27.9 60.2,25.519 60.2,23.522 62.222,21.5 71,21.5 v1(73,19.5)
  Bottom Layer w0.2: U19.M9@72.5,19 v1(73,19.5)
PHY_TX_EN: U19.E1 U20.J19 | length 45.9
  Top Layer w0.2: U20.J19@37.6,47.6 v1(38.1,48.1)
  Bottom Layer w0.125: v1(38.1,48.1) 38.6,48.6 40.5,48.6
  Bottom Layer w0.2: 40.5,48.6 41.3,48.6 42.7,47.2 42.7,33.03 47.03,28.7 64.434,28.7 65.5,27.634 U19.E1@65.5,27
PHY_TXC: U19.E2 U20.H22 | length 44.1
  Top Layer w0.2: v1(40.1,48.1) U20.H22@40.6,48.6
  Bottom Layer w0.125: 65,27.3 65,26.5 U19.E2@65.5,26
  Bottom Layer w0.2: v1(40.1,48.1) 41.2,48.1 42.3,47 42.3,32.865 46.865,28.3 64.2,28.3 65,27.5 65,27.3